# KiCad board DFTBoard.kicad_pcb (continued)
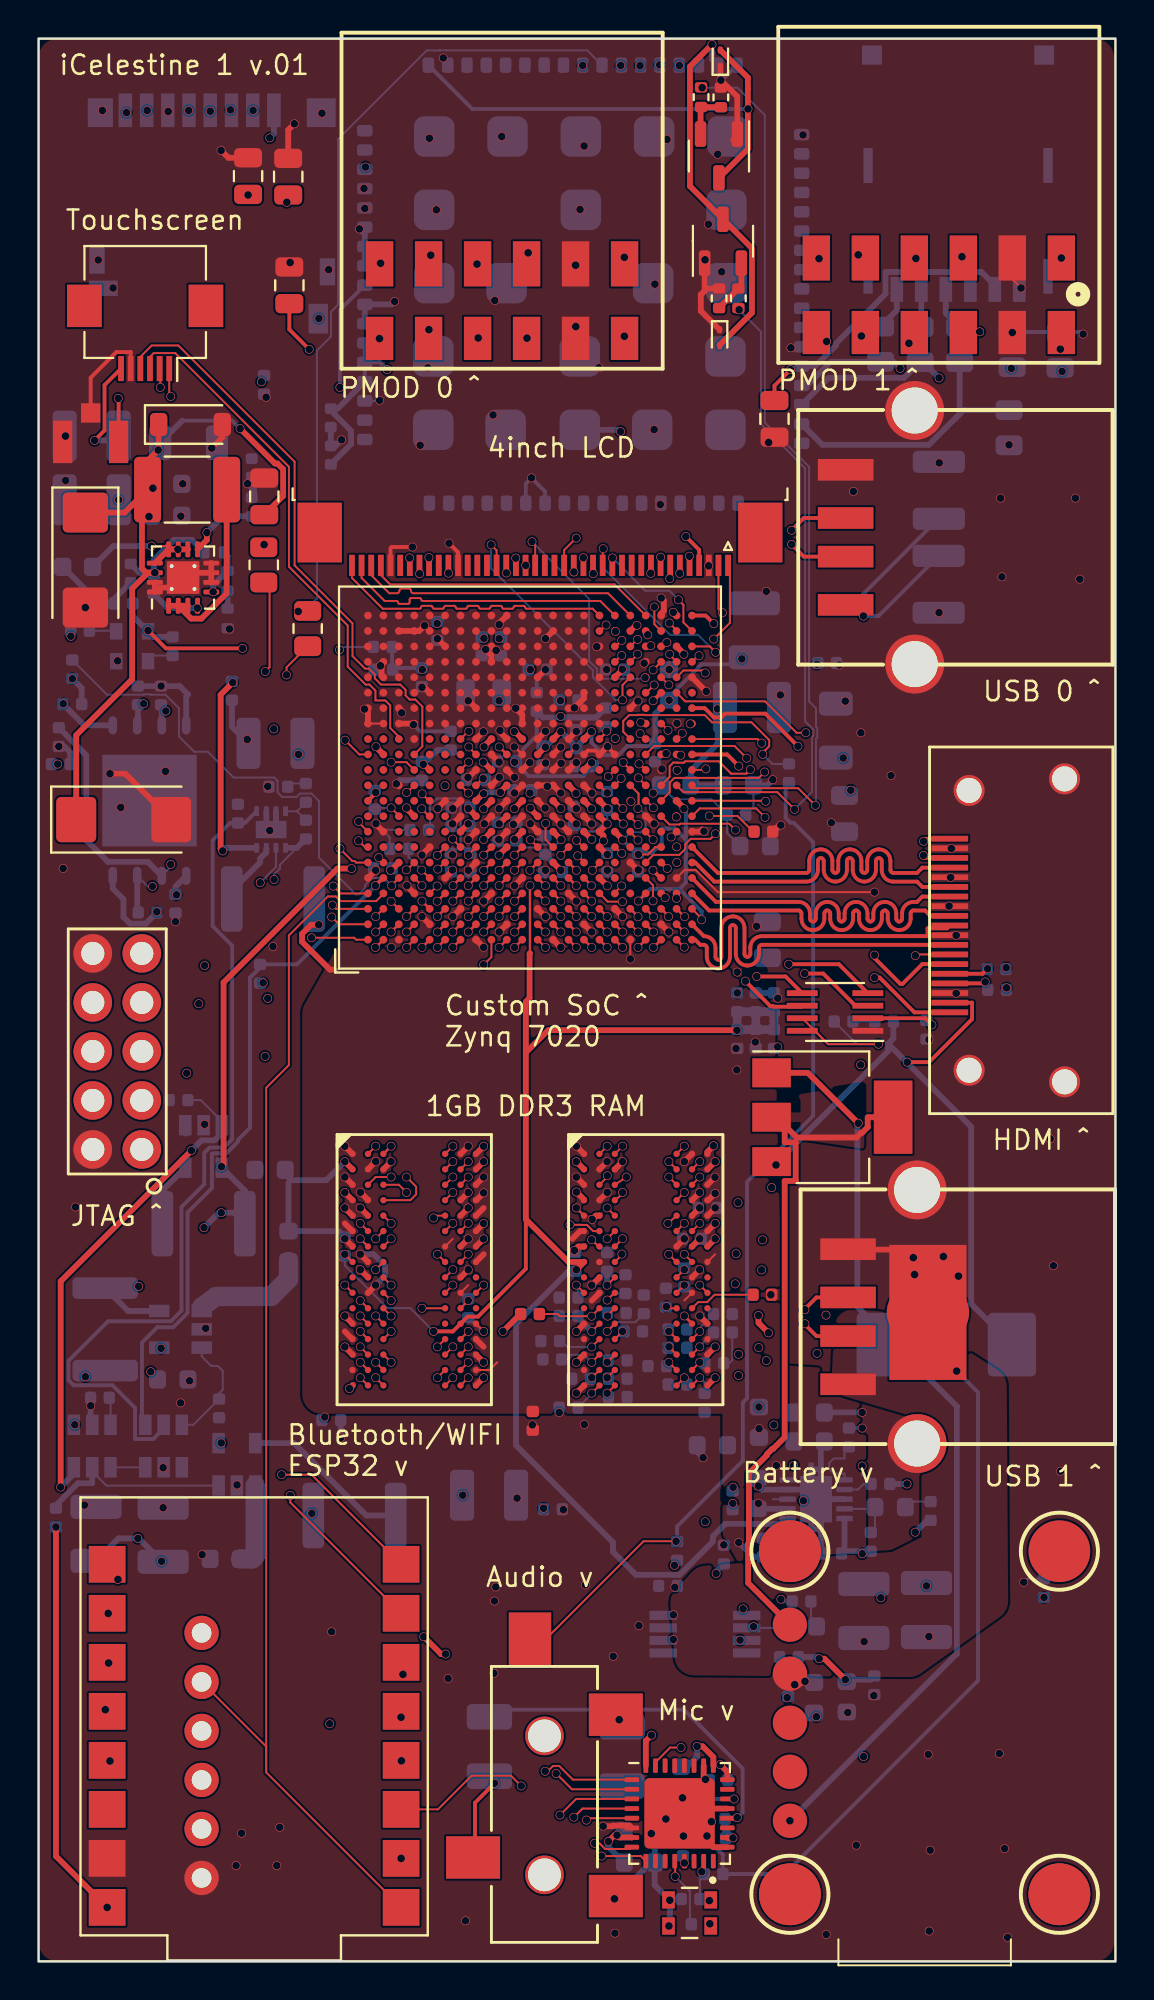
[diagram p0: board, top side]
## Routing (per net, layer and track width the routed paths; a pad name or vN(x,y) marks a point on that pad's centre or on a via; arc(x,y) is an arc through that point) (continued)
DDR3_DQ12: length 20.7
  TOP_GND w0.102: U16.A7 v1(21.48,42.25)
  TOP_GND w0.13: U20.K1 v1(23.88,52.55)
  GND1 w0.102: v1(23.88,52.55) 23.88,52.18 23.64,51.94 23.64,51.56 23.3,51.23 23.3,51.18 23.28,51.14 23.26,51.11 23.23,51.08 23.19,51.06 23.15,51.04 23.07,51.03 23.03,51.02 23,51 22.97,50.97 22.94,50.93 22.93,50.89 22.93,50.85 22.93,50.83 22.93,50.78 22.94,50.74 22.97,50.71 23,50.68 23.03,50.66 23.07,50.64 23.11,50.64 23.3,50.64 23.3,50.63 23.49,50.63 23.53,50.62 23.57,50.61 23.6,50.58 23.63,50.55 23.66,50.52 23.67,50.48 23.67,50.44 23.67,50.41 23.67,50.37 23.66,50.33 23.63,50.3 23.6,50.27 23.57,50.24 23.53,50.23 23.49,50.23 23.11,50.23 23.07,50.22 23.03,50.21 23,50.18 22.97,50.15 22.94,50.12 22.93,50.08 22.93,50.04 22.93,50.01 22.93,49.97 22.94,49.93 22.97,49.9 23,49.87 23.03,49.84 23.07,49.83 23.11,49.83 23.49,49.83 23.53,49.82 23.57,49.81 23.6,49.78 23.63,49.75 23.66,49.72 23.67,49.68 23.67,49.64 23.67,49.61 23.67,49.57 23.66,49.53 23.63,49.5 23.6,49.47 23.57,49.44 23.53,49.43 23.49,49.43 22.78,49.43 22.73,49.42 22.69,49.41 22.65,49.38 22.62,49.35 22.6,49.31 22.58,49.27 22.58,49.23 22.58,49.18 22.6,49.14 22.62,49.1 22.65,49.07 22.69,49.04 22.73,49.03 22.78,49.03 23.49,49.03 23.53,49.02 23.57,49.01 23.6,48.98 23.63,48.95 23.66,48.92 23.67,48.88 23.67,48.84 23.67,48.81 23.67,48.77 23.66,48.73 23.63,48.7 23.6,48.67 23.57,48.64 23.53,48.63 23.49,48.63 22.78,48.63 22.73,48.62 22.69,48.61 22.65,48.58 22.62,48.55 22.6,48.51 22.58,48.47 22.58,48.43 22.58,48.38 22.6,48.34 22.62,48.3 22.65,48.27 22.69,48.24 22.73,48.23 22.78,48.23 23.1,48.23 23.14,48.22 23.19,48.21 23.22,48.18 23.26,48.15 23.28,48.11 23.29,48.07 23.3,48.03 23.3,44.08 21.88,42.65 21.88,42.05 21.66,41.84 21.29,41.84 20.94,41.5 20.73,41.5 20.58,41.65 20.58,41.9 20.62,41.95 20.93,41.95 21.23,42.25 v1(21.48,42.25)
DDR3_DQ13: length 20.5
  TOP_GND w0.102: U16.A2 v1(17.48,42.25)
  TOP_GND w0.13: U20.G2 v1(21.48,53.35)
  GND1 w0.102: v1(17.48,42.25) 17.83,42.25 17.88,42.3 17.88,42.65 19.98,44.75 19.98,47.82 19.97,47.85 19.96,47.88 19.94,47.91 19.92,47.93 19.9,47.95 19.87,47.96 19.84,47.96 19.79,47.96 19.76,47.96 19.73,47.97 19.7,47.99 19.68,48.01 19.67,48.04 19.66,48.07 19.65,48.1 19.65,48.22 19.66,48.25 19.67,48.28 19.68,48.31 19.7,48.33 19.73,48.35 19.76,48.36 19.79,48.36 19.84,48.36 19.87,48.36 19.9,48.37 19.92,48.39 19.94,48.41 19.96,48.44 19.97,48.47 19.98,48.5 19.98,48.62 19.97,48.65 19.96,48.68 19.94,48.71 19.92,48.73 19.9,48.75 19.87,48.76 19.84,48.76 19.79,48.76 19.76,48.76 19.73,48.77 19.7,48.79 19.68,48.81 19.67,48.84 19.66,48.87 19.65,48.9 19.65,49.02 19.66,49.05 19.67,49.08 19.68,49.11 19.7,49.13 19.73,49.15 19.76,49.16 19.79,49.16 19.84,49.16 19.87,49.16 19.9,49.17 19.92,49.19 19.94,49.21 19.96,49.24 19.97,49.27 19.98,49.3 19.98,49.5 21.08,50.6 21.08,54.33 21.3,54.56 21.67,54.56 21.87,54.76 21.87,55.14 22.08,55.34 22.46,55.34 22.67,55.14 22.67,54.76 22.46,54.56 22.1,54.56 21.88,54.34 21.88,53.98 21.48,53.57 v1(21.48,53.35)
DDR3_DQ14: length 19.5
  TOP_GND w0.102: U16.B8 v1(22.28,41.45)
  TOP_GND w0.13: U20.K3 v1(23.88,54.15)
  GND1 w0.102: v1(22.28,41.45) 22.28,41.61 22.67,42.01 22.67,42.19 22.67,42.2 22.67,43.04 23.12,43.5 23.38,43.5 23.48,43.4 23.48,42.5 23.47,42.49 23.47,42.26 23.58,42.15 23.78,42.15 23.93,42.3 23.93,46.69 23.93,46.72 23.94,46.74 23.95,46.76 23.97,46.78 23.99,46.79 24.01,46.8 24.06,46.8 24.08,46.81 24.1,46.82 24.12,46.84 24.13,46.86 24.14,46.88 24.14,46.91 24.14,47.09 24.14,47.12 24.13,47.14 24.12,47.16 24.1,47.18 24.08,47.19 24.06,47.2 24.03,47.2 23.74,47.2 23.7,47.2 23.66,47.22 23.63,47.24 23.6,47.27 23.58,47.3 23.57,47.34 23.56,47.38 23.56,47.42 23.57,47.46 23.58,47.5 23.6,47.53 23.63,47.56 23.66,47.58 23.7,47.6 23.74,47.6 24.03,47.6 24.06,47.6 24.08,47.61 24.1,47.62 24.12,47.64 24.13,47.66 24.14,47.68 24.14,47.71 24.14,47.89 24.14,47.92 24.13,47.94 24.12,47.96 24.1,47.98 24.08,47.99 24.06,48 24.03,48 23.93,48 23.93,48.02 23.74,48.02 23.7,48.02 23.66,48.04 23.63,48.06 23.6,48.09 23.58,48.12 23.57,48.16 23.56,48.2 23.56,48.24 23.57,48.28 23.58,48.31 23.6,48.35 23.63,48.38 23.66,48.4 23.7,48.41 23.78,48.42 23.82,48.44 23.86,48.46 23.89,48.49 23.91,48.52 23.92,48.56 23.93,48.6 23.93,51.8 24.27,52.14 24.27,53.76 v1(23.88,54.15)
DDR3_DQ15: length 22.8
  TOP_GND w0.13: U20.G1 v1(21.48,52.55) ; U16.A3 v1(18.28,42.25)
  GND1 w0.102: v1(18.28,42.25) 18.57,42.54 18.59,42.57 18.61,42.61 18.62,42.64 18.62,42.68 18.61,42.72 18.59,42.75 18.54,42.81 18.53,42.85 18.52,42.88 18.52,42.92 18.53,42.96 18.54,42.99 18.57,43.02 18.61,43.06 18.64,43.09 18.68,43.1 18.71,43.11 18.75,43.11 18.79,43.1 18.82,43.09 18.85,43.06 19.05,42.86 19.07,42.84 19.1,42.83 19.12,42.83 19.15,42.83 19.18,42.83 19.2,42.84 19.22,42.86 19.34,42.98 19.35,43 19.36,43.02 19.37,43.05 19.37,43.07 19.36,43.1 19.35,43.12 19.34,43.14 19.13,43.35 19.11,43.38 19.09,43.41 19.08,43.45 19.08,43.49 19.09,43.52 19.11,43.56 19.13,43.59 19.18,43.63 19.21,43.65 19.24,43.67 19.28,43.68 19.32,43.68 19.35,43.67 19.39,43.65 19.42,43.63 19.62,43.43 19.64,43.41 19.66,43.4 19.69,43.39 19.72,43.39 19.74,43.4 19.77,43.41 19.79,43.43 19.9,43.54 19.92,43.56 19.93,43.59 19.94,43.61 19.94,43.64 19.93,43.66 19.92,43.69 19.9,43.71 19.82,43.79 19.82,43.8 19.7,43.92 19.68,43.95 19.66,43.98 19.65,44.02 19.65,44.06 19.66,44.09 19.68,44.13 19.7,44.16 19.75,44.2 19.78,44.22 19.81,44.24 19.85,44.25 19.89,44.25 19.92,44.24 19.96,44.22 20.02,44.18 20.05,44.16 20.09,44.15 20.12,44.15 20.16,44.16 20.2,44.18 20.23,44.2 20.76,44.74 20.76,45.01 20.77,45.05 20.78,45.09 20.81,45.13 20.84,45.16 20.88,45.19 20.92,45.2 20.96,45.21 21,45.21 21.05,45.21 21.09,45.23 21.13,45.25 21.16,45.28 21.18,45.32 21.2,45.36 21.2,45.41 21.2,45.45 21.18,45.49 21.16,45.53 21.13,45.56 21.09,45.59 21.05,45.6 21,45.61 20.43,45.61 20.38,45.61 20.34,45.63 20.3,45.65 20.27,45.68 20.25,45.72 20.23,45.76 20.23,45.81 20.23,45.85 20.25,45.89 20.27,45.93 20.3,45.96 20.34,45.99 20.38,46 20.43,46.01 21,46.01 21.05,46.01 21.09,46.03 21.13,46.05 21.16,46.08 21.18,46.12 21.2,46.16 21.2,46.21 21.2,46.25 21.18,46.29 21.16,46.33 21.13,46.36 21.09,46.39 21.05,46.4 21,46.41 20.43,46.41 20.38,46.41 20.34,46.43 20.3,46.45 20.27,46.48 20.25,46.52 20.23,46.56 20.23,46.61 20.23,46.65 20.25,46.69 20.27,46.73 20.3,46.76 20.34,46.79 20.38,46.8 20.43,46.81 21,46.81 21.05,46.81 21.09,46.83 21.13,46.85 21.16,46.88 21.18,46.92 21.2,46.96 21.2,47.01 21.2,47.05 21.18,47.09 21.16,47.13 21.13,47.16 21.09,47.19 21.05,47.2 21,47.21 20.43,47.21 20.38,47.21 20.34,47.23 20.3,47.25 20.27,47.28 20.25,47.32 20.23,47.36 20.23,47.41 20.23,47.45 20.25,47.49 20.27,47.53 20.3,47.56 20.34,47.59 20.38,47.6 20.43,47.61 21,47.61 21.05,47.61 21.09,47.63 21.13,47.65 21.16,47.68 21.18,47.72 21.2,47.76 21.2,47.81 21.2,47.85 21.18,47.89 21.16,47.93 21.13,47.96 21.09,47.99 21.05,48 21,48.01 20.43,48.01 20.38,48.01 20.34,48.03 20.3,48.05 20.27,48.08 20.25,48.12 20.23,48.16 20.23,48.21 20.23,48.25 20.25,48.29 20.27,48.33 20.3,48.36 20.34,48.39 20.38,48.4 20.43,48.41 21,48.41 21.05,48.41 21.09,48.43 21.13,48.45 21.16,48.48 21.18,48.52 21.2,48.56 21.2,48.61 21.2,48.65 21.18,48.69 21.16,48.73 21.13,48.76 21.09,48.79 21.05,48.8 21,48.81 20.43,48.81 20.38,48.81 20.34,48.83 20.3,48.85 20.27,48.88 20.25,48.92 20.23,48.96 20.23,49.01 20.23,49.05 20.25,49.09 20.27,49.13 20.3,49.16 20.34,49.19 20.38,49.2 20.43,49.21 20.56,49.21 20.61,49.21 20.65,49.23 20.69,49.25 20.72,49.28 20.75,49.32 20.76,49.36 20.76,49.41 20.77,49.43 20.78,49.45 20.78,49.65 21.48,50.35 v1(21.48,52.55)
DDR3_DQ16: length 18.8
  TOP_GND w0.102: U15.E3 v1(29.47,39.05)
  TOP_GND w0.13: v1(29.48,54.15) 29.47,54.15 U20.T3
  SIGNAL1 w0.102: v1(29.48,54.15) 29.08,53.75 29.08,52.12 28.82,51.87 28.81,51.84 28.79,51.81 28.77,51.79 28.75,51.77 28.72,51.76 28.69,51.76 28.67,51.76 28.64,51.76 28.61,51.75 28.58,51.73 28.56,51.71 28.54,51.68 28.53,51.65 28.53,51.62 28.53,51.5 28.53,51.47 28.54,51.44 28.56,51.41 28.58,51.39 28.61,51.37 28.64,51.36 28.67,51.36 29.03,51.36 29.06,51.36 29.09,51.35 29.12,51.33 29.14,51.31 29.16,51.28 29.17,51.25 29.17,51.22 29.17,51.1 29.17,51.07 29.16,51.04 29.14,51.01 29.12,50.99 29.09,50.97 29.06,50.96 29.03,50.96 28.67,50.96 28.64,50.96 28.61,50.95 28.58,50.93 28.56,50.91 28.54,50.88 28.53,50.85 28.53,50.82 28.53,50.7 28.53,50.67 28.54,50.64 28.56,50.61 28.58,50.59 28.61,50.57 28.64,50.56 28.67,50.56 29.03,50.56 29.06,50.56 29.09,50.55 29.12,50.53 29.14,50.51 29.16,50.48 29.17,50.45 29.17,50.42 29.17,50.3 29.17,50.27 29.16,50.24 29.14,50.21 29.12,50.19 29.09,50.17 29.06,50.16 29.03,50.16 28.97,50.16 28.93,50.16 28.9,50.15 28.88,50.13 28.86,50.11 28.84,50.08 28.83,50.05 28.83,50.02 28.83,42.7 28.77,42.64 28.77,39.76 v1(29.47,39.05)
DDR3_DQ17: length 19.5
  TOP_GND w0.102: 33.08,37.85 v1(33.47,38.25)
  TOP_GND w0.13: U20.T1 v1(29.47,52.55)
  SIGNAL1 w0.102: v1(33.47,38.25) 33.47,38.59 31.81,40.25 29.28,40.25 29.08,40.45 29.08,42.45 29.47,42.85 29.47,48.63 29.47,48.66 29.46,48.69 29.45,48.71 29.42,48.74 29.4,48.75 29.37,48.76 29.31,48.77 29.28,48.78 29.26,48.79 29.24,48.82 29.22,48.84 29.21,48.87 29.21,48.9 29.21,49.03 29.21,49.06 29.22,49.09 29.24,49.11 29.26,49.14 29.28,49.15 29.31,49.16 29.37,49.17 29.4,49.18 29.42,49.19 29.45,49.22 29.46,49.24 29.47,49.27 29.47,49.3 29.47,49.43 29.47,49.46 29.46,49.49 29.45,49.51 29.42,49.54 29.4,49.55 29.37,49.56 29.31,49.57 29.28,49.58 29.26,49.59 29.24,49.62 29.22,49.64 29.21,49.67 29.21,49.7 29.21,49.83 29.21,49.86 29.22,49.89 29.24,49.91 29.26,49.94 29.28,49.95 29.31,49.96 29.37,49.97 29.4,49.98 29.42,49.99 29.45,50.02 29.46,50.04 29.47,50.07 29.47,50.1 v1(29.47,52.55)
DDR3_DQ18: length 22
  TOP_GND w0.102: 29.08,37.85 28.75,37.85 28.43,38.17 28.12,38.17 28.12,38.18 v1(27.55,38.18) ; U20.M1 v1(26.28,52.55)
  GND1 w0.102: v1(27.55,38.18) 27.28,37.91 27.28,37.31 27.18,37.2 26.93,37.2 26.83,37.3 26.83,38.35 26.83,38.38 26.84,38.41 26.86,38.44 26.88,38.46 26.9,38.48 26.93,38.49 26.97,38.49 27.08,38.49 27.11,38.49 27.14,38.5 27.16,38.52 27.18,38.54 27.2,38.57 27.21,38.6 27.22,38.63 27.22,38.75 27.21,38.78 27.2,38.81 27.18,38.84 27.16,38.86 27.14,38.88 27.11,38.89 27.08,38.89 26.62,38.89 26.59,38.89 26.56,38.9 26.54,38.92 26.52,38.94 26.5,38.97 26.49,39 26.48,39.03 26.48,39.15 26.49,39.18 26.5,39.21 26.52,39.24 26.54,39.26 26.56,39.28 26.59,39.29 26.62,39.29 27.03,39.29 27.06,39.29 27.09,39.3 27.11,39.32 27.13,39.34 27.15,39.37 27.16,39.4 27.17,39.43 27.17,39.55 27.16,39.58 27.15,39.61 27.13,39.64 27.11,39.66 27.09,39.68 27.06,39.69 27.03,39.69 26.62,39.69 26.59,39.69 26.56,39.7 26.54,39.72 26.52,39.74 26.5,39.77 26.49,39.8 26.48,39.83 26.48,39.95 26.49,39.98 26.5,40.01 26.52,40.04 26.54,40.06 26.56,40.08 26.59,40.09 26.62,40.09 27.03,40.09 27.06,40.09 27.09,40.1 27.11,40.12 27.13,40.14 27.15,40.17 27.16,40.2 27.17,40.23 27.17,40.35 27.16,40.38 27.15,40.41 27.13,40.44 27.11,40.46 27.09,40.48 27.06,40.49 27.03,40.49 26.97,40.49 26.93,40.49 26.9,40.5 26.88,40.52 26.73,40.66 26.73,51.14 26.28,51.6 v1(26.28,52.55)
DDR3_DQ19: length 19
  TOP_GND w0.102: U15.F8 v1(34.28,38.25)
  TOP_GND w0.13: U20.T2 v1(29.47,53.35)
  GND1 w0.102: v1(34.28,38.25) 33.26,38.88 30.43,40.25 30.18,40.3 30.03,40.45 29.88,41.2 29.88,42.25 29.88,42.26 29.88,51.69 29.87,51.71 29.87,52.96 v1(29.47,53.35)
DDR3_DQ20: length 24.1
  TOP_GND w0.102: U15.H3 30.24,36.61
  TOP_GND w0.13: U20.M2 v1(26.28,53.35)
  GND1 w0.102: v1(30.24,36.66) 30.24,36.61 U15.H3 27.48,36.25 26.18,37.55 26.18,49.27 26.17,49.3 26.16,49.33 26.14,49.36 26.12,49.38 26.1,49.4 26.07,49.41 26.04,49.41 25.83,49.41 25.79,49.41 25.76,49.42 25.74,49.44 25.72,49.46 25.7,49.49 25.69,49.52 25.69,49.55 25.69,49.67 25.69,49.7 25.7,49.73 25.72,49.76 25.74,49.78 25.76,49.8 25.79,49.81 25.83,49.81 26.37,49.81 26.41,49.81 26.44,49.82 26.46,49.84 26.48,49.86 26.5,49.89 26.51,49.92 26.51,49.95 26.51,50.07 26.51,50.1 26.5,50.13 26.48,50.16 26.46,50.18 26.44,50.2 26.41,50.21 26.37,50.21 25.83,50.21 25.79,50.21 25.76,50.22 25.74,50.24 25.72,50.26 25.7,50.29 25.69,50.32 25.69,50.35 25.69,50.47 25.69,50.5 25.7,50.53 25.72,50.56 25.74,50.58 25.76,50.6 25.79,50.61 25.83,50.61 26.04,50.61 26.07,50.61 26.1,50.62 26.12,50.64 26.14,50.66 26.16,50.69 26.17,50.72 26.18,50.75 26.18,51.1 25.88,51.39 25.88,52.96 v1(26.28,53.35)
DDR3_DQ21: length 21.5
  TOP_GND w0.102: U15.H8 v1(33.47,36.65)
  TOP_GND w0.13: U20.R1 v1(28.68,52.55)
  SIGNAL1 w0.102: v1(33.47,36.65) 33.08,37.05 33.08,38.38 32.81,38.64 32.44,38.64 32.39,38.6 29.33,38.6 28.27,39.65 28.27,40.09 28.27,40.09 28.27,52.14 v1(28.68,52.55)
DDR3_DQ22: length 23.6
  TOP_GND w0.102: v1(28.68,37.4) 29.03,37.05
  TOP_GND w0.13: U20.N3 v1(27.08,54.15)
  GND1 w0.102: v1(27.08,54.15) 26.68,53.75 26.68,52.2 27.43,51.45 27.43,51 27.42,50.97 27.41,50.94 27.39,50.91 27.37,50.89 27.35,50.87 27.32,50.86 27.29,50.86 27.27,50.86 27.24,50.86 27.21,50.85 27.18,50.83 27.16,50.81 27.14,50.78 27.13,50.75 27.13,50.72 27.13,50.6 27.13,50.57 27.14,50.54 27.16,50.51 27.18,50.49 27.21,50.47 27.24,50.46 27.27,50.46 27.63,50.46 27.66,50.46 27.69,50.45 27.72,50.43 27.74,50.41 27.76,50.38 27.77,50.35 27.77,50.32 27.77,50.2 27.77,50.17 27.76,50.14 27.74,50.11 27.72,50.09 27.69,50.07 27.66,50.06 27.63,50.06 27.27,50.06 27.24,50.06 27.21,50.05 27.18,50.03 27.16,50.01 27.14,49.98 27.13,49.95 27.13,49.92 27.13,49.8 27.13,49.77 27.14,49.74 27.16,49.71 27.18,49.69 27.21,49.67 27.24,49.66 27.27,49.66 27.29,49.66 27.32,49.66 27.35,49.65 27.37,49.63 27.39,49.61 27.41,49.58 27.42,49.55 27.43,49.52 27.43,47.34 27.77,47 27.77,43.42 27.47,43.12 27.47,38.84 28.02,38.29 28.02,37.69 28.17,37.54 28.17,36.81 28.43,36.55 29.37,36.55 29.5,36.69 29.5,36.94 29.39,37.06 29.02,37.06 v1(28.68,37.4)
DDR3_DQ23: length 23
  TOP_GND w0.102: 33.06,36.25 v1(32.67,36.64)
  TOP_GND w0.13: U20.R3 v1(28.68,54.15)
  GND1 w0.102: v1(32.67,36.64) 32.67,37.24 30.46,39.45 30.09,39.45 29.87,39.67 29.87,40.05 29.6,40.33 29.29,40.33 29.07,40.55 29.07,49.88 29.06,49.91 29.05,49.94 29.04,49.96 29.02,49.99 28.99,50 28.96,50.01 28.93,50.02 28.76,50.02 28.73,50.02 28.7,50.03 28.67,50.05 28.65,50.07 28.63,50.1 28.62,50.13 28.62,50.16 28.62,50.28 28.62,50.31 28.63,50.34 28.65,50.36 28.67,50.39 28.7,50.4 28.73,50.41 28.76,50.42 29.43,50.42 29.46,50.42 29.49,50.43 29.51,50.45 29.54,50.47 29.55,50.5 29.56,50.53 29.57,50.56 29.57,50.68 29.56,50.71 29.55,50.74 29.54,50.76 29.51,50.79 29.49,50.8 29.46,50.81 29.43,50.82 28.76,50.82 28.73,50.82 28.7,50.83 28.67,50.85 28.65,50.87 28.63,50.9 28.62,50.93 28.62,50.96 28.62,51.08 28.62,51.11 28.63,51.14 28.65,51.16 28.67,51.19 28.7,51.2 28.73,51.21 28.76,51.22 28.93,51.22 28.96,51.22 28.99,51.23 29.02,51.25 29.04,51.27 29.05,51.3 29.06,51.33 29.07,51.36 29.07,53.76 v1(28.68,54.15)
DDR3_DQ24: length 17.2
  TOP_GND w0.102: 33.08,39.45 v1(33.47,39.85)
  TOP_GND w0.13: U20.AA3 33.48,54.14 v1(33.49,54.14)
  SIGNAL2 w0.102: v1(33.49,54.14) 33.87,53.77 33.87,53.46 33.88,53.45 33.88,51.8 33.59,51.52 33.51,51.52 33.49,51.48 33.47,51.44 33.83,51.08 33.83,51.02 33.85,50.98 33.85,42.67 34.68,41.85 34.68,40.43 34.5,40.25 33.88,40.25 v1(33.47,39.85)
DDR3_DQ25: length 20.8
  TOP_GND w0.102: U15.C3 v1(30.47,40.65)
  TOP_GND w0.13: U20.Y1 v1(31.88,52.55)
  GND1 w0.102: v1(31.88,52.55) 32.3,52.13 32.3,52.1 33.19,51.21 33.19,48.29 33.08,48.18 33.08,46.95 33.07,46.92 33.06,46.89 33.04,46.86 33.02,46.84 33,46.82 32.97,46.81 32.94,46.81 32.72,46.81 32.69,46.81 32.66,46.8 32.63,46.78 32.61,46.76 32.59,46.73 32.58,46.7 32.58,46.67 32.58,46.55 32.58,46.52 32.59,46.49 32.61,46.46 32.63,46.44 32.66,46.42 32.69,46.41 32.72,46.41 33.43,46.41 33.46,46.41 33.49,46.4 33.52,46.38 33.54,46.36 33.56,46.33 33.57,46.3 33.57,46.27 33.57,46.15 33.57,46.12 33.56,46.09 33.54,46.06 33.52,46.04 33.49,46.02 33.46,46.01 33.43,46.01 32.72,46.01 32.69,46.01 32.66,46 32.63,45.98 32.61,45.96 32.59,45.93 32.58,45.9 32.58,45.87 32.58,45.75 32.58,45.72 32.59,45.69 32.61,45.66 32.63,45.64 32.66,45.62 32.69,45.61 32.72,45.61 33.43,45.61 33.46,45.61 33.49,45.6 33.52,45.58 33.54,45.56 33.56,45.53 33.57,45.5 33.57,45.47 33.57,45.35 33.57,45.32 33.56,45.29 33.54,45.26 33.52,45.24 33.49,45.22 33.46,45.21 33.43,45.21 32.72,45.21 32.69,45.21 32.66,45.2 32.63,45.18 32.61,45.16 32.59,45.13 32.58,45.1 32.58,45.07 32.58,44.95 32.58,44.92 32.59,44.89 32.61,44.86 32.63,44.84 32.66,44.82 32.69,44.81 32.72,44.81 33.43,44.81 33.46,44.81 33.49,44.8 33.52,44.78 33.54,44.76 33.56,44.73 33.57,44.7 33.57,44.67 33.57,44.55 33.57,44.52 33.56,44.49 33.54,44.46 33.52,44.44 33.49,44.42 33.46,44.41 33.43,44.41 32.72,44.41 32.69,44.41 32.66,44.4 32.63,44.38 32.61,44.36 32.59,44.33 32.58,44.3 32.58,44.27 32.58,44.15 32.58,44.12 32.59,44.09 32.61,44.06 32.63,44.04 32.66,44.02 32.69,44.01 32.72,44.01 32.94,44.01 32.97,44.01 33,44 33.02,43.98 33.04,43.96 33.06,43.93 33.07,43.9 33.08,43.87 33.08,43.25 v1(30.47,40.65)
DDR3_DQ26: length 16.4
  TOP_GND w0.102: U15.C8 v1(34.28,40.65)
  TOP_GND w0.13: U20.Y3 32.66,54.17 v1(32.66,54.15)
  GND1 w0.102: v1(32.66,54.15) 32.66,53.83 32.74,53.74 32.86,53.74 33.08,53.53 33.08,53.17 33.29,52.95 33.3,52.95 33.31,52.96 33.64,52.96 35.22,51.37 35.22,43.71 34.6,43.08 34.6,42.08 34.67,42.01 34.67,41.06 34.68,41.05 v1(34.28,40.65)
DDR3_DQ27: length 19.9
  TOP_GND w0.102: v1(29.48,40.72) 29.48,40.66 29.08,40.25
  TOP_GND w0.13: U20.W1 v1(31.08,52.55)
  SIGNAL1 w0.102: v1(29.48,40.72) 29.81,41.05 30.58,41.05 31.08,41.55 31.08,44.22 31.07,44.25 31.06,44.28 31.04,44.31 31.02,44.33 31,44.35 30.97,44.36 30.94,44.36 30.73,44.36 30.7,44.36 30.67,44.37 30.65,44.39 30.62,44.41 30.61,44.44 30.6,44.47 30.59,44.5 30.59,44.62 30.6,44.65 30.61,44.68 30.62,44.71 30.65,44.73 30.67,44.75 30.7,44.76 30.73,44.76 31.42,44.76 31.45,44.76 31.48,44.77 31.5,44.79 31.53,44.81 31.54,44.84 31.55,44.87 31.56,44.9 31.56,45.02 31.55,45.05 31.54,45.08 31.53,45.11 31.5,45.13 31.48,45.15 31.45,45.16 31.42,45.16 30.73,45.16 30.7,45.16 30.67,45.17 30.65,45.19 30.62,45.21 30.61,45.24 30.6,45.27 30.59,45.3 30.59,45.42 30.6,45.45 30.61,45.48 30.62,45.51 30.65,45.53 30.67,45.55 30.7,45.56 30.73,45.56 31.42,45.56 31.45,45.56 31.48,45.57 31.5,45.59 31.53,45.61 31.54,45.64 31.55,45.67 31.56,45.7 31.56,45.82 31.55,45.85 31.54,45.88 31.53,45.91 31.5,45.93 31.48,45.95 31.45,45.96 31.42,45.96 30.73,45.96 30.7,45.96 30.67,45.97 30.65,45.99 30.62,46.01 30.61,46.04 30.6,46.07 30.59,46.1 30.59,46.22 30.6,46.25 30.61,46.28 30.62,46.31 30.65,46.33 30.67,46.35 30.7,46.36 30.73,46.36 31.42,46.36 31.45,46.36 31.48,46.37 31.5,46.39 31.53,46.41 31.54,46.44 31.55,46.47 31.56,46.5 31.56,46.62 31.55,46.65 31.54,46.68 31.53,46.71 31.5,46.73 31.48,46.75 31.45,46.76 31.42,46.76 30.73,46.76 30.7,46.76 30.67,46.77 30.65,46.79 30.62,46.81 30.61,46.84 30.6,46.87 30.59,46.9 30.59,47.02 30.6,47.05 30.61,47.08 30.62,47.11 30.65,47.13 30.67,47.15 30.7,47.16 30.73,47.16 30.94,47.16 30.97,47.16 31,47.17 31.02,47.19 31.04,47.21 31.06,47.24 31.07,47.27 31.08,47.3 v1(31.08,52.55)
DDR3_DQ28: length 21.2
  TOP_GND w0.102: 33.08,41.85 v1(33.47,42.25)
  TOP_GND w0.13: U20.AA1 33.46,52.56 v1(33.47,52.56)
  GND1 w0.102: v1(33.47,52.56) 34.33,51.71 34.33,51.58 33.9,51.16 33.87,51.16 33.85,51.13 33.84,51.1 33.84,51.07 33.84,50.95 33.84,50.92 33.85,50.89 33.87,50.86 33.89,50.84 33.92,50.82 33.95,50.81 33.98,50.81 34.67,50.81 34.7,50.81 34.73,50.8 34.76,50.78 34.78,50.76 34.8,50.73 34.81,50.7 34.81,50.67 34.81,50.55 34.81,50.52 34.8,50.49 34.78,50.46 34.76,50.44 34.73,50.42 34.7,50.41 34.67,50.41 33.98,50.41 33.95,50.41 33.92,50.4 33.89,50.38 33.87,50.36 33.85,50.33 33.84,50.3 33.84,50.27 33.84,50.15 33.84,50.12 33.85,50.09 33.87,50.06 33.89,50.04 33.92,50.02 33.95,50.01 33.98,50.01 34.67,50.01 34.7,50.01 34.73,50 34.76,49.98 34.78,49.96 34.8,49.93 34.81,49.9 34.81,49.87 34.81,49.75 34.81,49.72 34.8,49.69 34.78,49.66 34.76,49.64 34.73,49.62 34.7,49.61 34.67,49.61 33.98,49.61 33.95,49.61 33.92,49.6 33.89,49.58 33.87,49.56 33.85,49.53 33.84,49.5 33.84,49.47 33.84,49.35 33.84,49.32 33.85,49.29 33.87,49.26 33.89,49.24 33.92,49.22 33.95,49.21 33.98,49.21 34.67,49.21 34.7,49.21 34.73,49.2 34.76,49.18 34.78,49.16 34.8,49.13 34.81,49.1 34.81,49.07 34.81,48.95 34.81,48.92 34.8,48.89 34.78,48.86 34.76,48.84 34.73,48.82 34.7,48.81 34.67,48.81 33.98,48.81 33.95,48.81 33.92,48.8 33.89,48.78 33.87,48.76 33.85,48.73 33.84,48.7 33.84,48.67 33.84,48.55 33.84,48.52 33.85,48.49 33.87,48.46 33.89,48.44 33.92,48.42 33.95,48.41 33.98,48.41 34.67,48.41 34.7,48.41 34.73,48.4 34.76,48.38 34.78,48.36 34.8,48.33 34.81,48.3 34.81,48.27 34.81,48.15 34.81,48.12 34.8,48.09 34.78,48.06 34.76,48.04 34.73,48.02 34.7,48.01 34.67,48.01 33.98,48.01 33.95,48.01 33.92,48 33.89,47.98 33.87,47.96 33.85,47.93 33.84,47.9 33.84,47.87 33.84,47.75 33.84,47.72 33.85,47.69 33.87,47.66 33.89,47.64 33.92,47.62 33.95,47.61 33.98,47.61 34.67,47.61 34.7,47.61 34.73,47.6 34.76,47.58 34.78,47.56 34.8,47.53 34.81,47.5 34.81,47.47 34.81,47.35 34.81,47.32 34.8,47.29 34.78,47.26 34.76,47.24 34.73,47.22 34.7,47.21 34.67,47.21 33.98,47.21 33.95,47.21 33.92,47.2 33.89,47.18 33.87,47.16 33.85,47.13 33.84,47.1 33.84,47.07 33.84,46.95 33.84,46.92 33.85,46.89 33.87,46.86 33.89,46.84 33.92,46.82 33.95,46.81 33.98,46.81 34.19,46.81 34.22,46.81 34.25,46.8 34.27,46.78 34.29,46.76 34.31,46.73 34.32,46.7 34.33,46.67 34.33,43.1 v1(33.47,42.25)
DDR3_DQ29: length 20.7
  TOP_GND w0.102: 29.08,41.85 v1(29.47,42.25)
  TOP_GND w0.13: U20.U1 v1(30.28,52.55)
  SIGNAL1 w0.102: v1(30.28,52.55) 30.28,51.6 30.27,51.57 30.26,51.54 30.24,51.51 30.22,51.49 30.2,51.47 30.17,51.46 30.14,51.46 29.94,51.46 29.91,51.46 29.88,51.45 29.86,51.43 29.83,51.41 29.82,51.38 29.81,51.35 29.8,51.32 29.8,51.2 29.81,51.17 29.82,51.14 29.83,51.11 29.86,51.09 29.88,51.07 29.91,51.06 29.94,51.06 30.61,51.06 30.64,51.06 30.67,51.05 30.69,51.03 30.72,51.01 30.73,50.98 30.74,50.95 30.75,50.92 30.75,50.8 30.74,50.77 30.73,50.74 30.72,50.71 30.69,50.69 30.67,50.67 30.64,50.66 30.61,50.66 29.94,50.66 29.91,50.66 29.88,50.65 29.86,50.63 29.83,50.61 29.82,50.58 29.81,50.55 29.8,50.52 29.8,50.4 29.81,50.37 29.82,50.34 29.83,50.31 29.86,50.29 29.88,50.27 29.91,50.26 29.94,50.26 30.61,50.26 30.64,50.26 30.67,50.25 30.69,50.23 30.72,50.21 30.73,50.18 30.74,50.15 30.75,50.12 30.75,50 30.74,49.97 30.73,49.94 30.72,49.91 30.69,49.89 30.67,49.87 30.64,49.86 30.61,49.86 29.94,49.86 29.91,49.86 29.88,49.85 29.86,49.83 29.83,49.81 29.82,49.78 29.81,49.75 29.8,49.72 29.8,49.6 29.81,49.57 29.82,49.54 29.83,49.51 29.86,49.49 29.88,49.47 29.91,49.46 29.94,49.46 30.61,49.46 30.64,49.46 30.67,49.45 30.69,49.43 30.72,49.41 30.73,49.38 30.74,49.35 30.75,49.32 30.75,49.2 30.74,49.17 30.73,49.14 30.72,49.11 30.69,49.09 30.67,49.07 30.64,49.06 30.61,49.06 29.94,49.06 29.91,49.06 29.88,49.05 29.86,49.03 29.83,49.01 29.82,48.98 29.81,48.95 29.8,48.92 29.8,48.8 29.81,48.77 29.82,48.74 29.83,48.71 29.86,48.69 29.88,48.67 29.91,48.66 29.94,48.66 30.61,48.66 30.64,48.66 30.67,48.65 30.69,48.63 30.72,48.61 30.73,48.58 30.74,48.55 30.75,48.52 30.75,48.4 30.74,48.37 30.73,48.34 30.72,48.31 30.69,48.29 30.67,48.27 30.64,48.26 30.61,48.26 29.94,48.26 29.91,48.26 29.88,48.25 29.86,48.23 29.83,48.21 29.82,48.18 29.81,48.15 29.8,48.12 29.8,48 29.81,47.97 29.82,47.94 29.83,47.91 29.86,47.89 29.88,47.87 29.91,47.86 29.94,47.86 30.61,47.86 30.64,47.86 30.67,47.85 30.69,47.83 30.72,47.81 30.73,47.78 30.74,47.75 30.75,47.72 30.75,47.6 30.74,47.57 30.73,47.54 30.72,47.51 30.69,47.49 30.67,47.47 30.64,47.46 30.61,47.46 29.94,47.46 29.91,47.46 29.88,47.45 29.86,47.43 29.83,47.41 29.82,47.38 29.81,47.35 29.8,47.32 29.8,47.2 29.81,47.17 29.82,47.14 29.83,47.11 29.86,47.09 29.88,47.07 29.91,47.06 29.94,47.06 30.14,47.06 30.17,47.06 30.2,47.05 30.22,47.03 30.24,47.01 30.26,46.98 30.27,46.95 30.28,46.92 30.28,43.05 v1(29.47,42.25)
DDR3_DQ30: length 16.8
  TOP_GND w0.102: U15.B8 v1(34.28,41.45)
  TOP_GND w0.13: U20.W3 31.88,54.15 v1(31.88,54.14)
  SIGNAL1 w0.102: v1(34.28,41.45) 34.28,42.93 33.75,43.45 33.75,44.58 33.75,44.62 33.77,44.66 33.79,44.7 33.82,44.73 33.86,44.75 33.9,44.76 33.99,44.77 34.03,44.79 34.06,44.81 34.1,44.84 34.12,44.88 34.13,44.92 34.14,44.96 34.14,44.98 34.13,45.02 34.12,45.06 34.1,45.1 34.06,45.13 34.03,45.15 33.99,45.16 33.94,45.17 33.75,45.17 33.75,45.18 33.56,45.18 33.51,45.18 33.47,45.19 33.44,45.22 33.4,45.25 33.38,45.28 33.37,45.33 33.36,45.37 33.36,45.38 33.37,45.42 33.38,45.47 33.4,45.5 33.44,45.53 33.47,45.56 33.51,45.57 33.56,45.58 33.94,45.58 33.99,45.58 34.03,45.59 34.06,45.62 34.1,45.65 34.12,45.68 34.13,45.73 34.14,45.77 34.14,45.78 34.13,45.82 34.12,45.87 34.1,45.9 34.06,45.93 34.03,45.96 33.99,45.97 33.9,45.98 33.86,45.99 33.82,46.02 33.79,46.05 33.77,46.08 33.75,46.13 33.75,46.17 33.75,51.4 33.08,52.08 33.08,53.53 32.86,53.75 32.27,53.75 v1(31.88,54.14)
DDR3_DQ31: length 21.1
  TOP_GND w0.102: U15.A3 v1(30.28,42.25)
  TOP_GND w0.13: U20.U2 v1(30.28,53.35)
  GND1 w0.102: v1(30.28,42.25) 31.47,43.45 31.47,48.02 31.47,48.05 31.46,48.08 31.44,48.11 31.42,48.13 31.4,48.15 31.37,48.16 31.34,48.16 31.13,48.16 31.1,48.16 31.07,48.17 31.04,48.19 31.02,48.21 31.01,48.24 30.99,48.27 30.99,48.3 30.99,48.42 30.99,48.45 31.01,48.48 31.02,48.51 31.04,48.53 31.07,48.55 31.1,48.56 31.13,48.56 31.82,48.56 31.85,48.56 31.88,48.57 31.91,48.59 31.93,48.61 31.94,48.64 31.96,48.67 31.96,48.7 31.96,48.82 31.96,48.85 31.94,48.88 31.93,48.91 31.91,48.93 31.88,48.95 31.85,48.96 31.82,48.96 31.13,48.96 31.1,48.96 31.07,48.97 31.04,48.99 31.02,49.01 31.01,49.04 30.99,49.07 30.99,49.1 30.99,49.22 30.99,49.25 31.01,49.28 31.02,49.31 31.04,49.33 31.07,49.35 31.1,49.36 31.13,49.36 31.82,49.36 31.85,49.36 31.88,49.37 31.91,49.39 31.93,49.41 31.94,49.44 31.96,49.47 31.96,49.5 31.96,49.62 31.96,49.65 31.94,49.68 31.93,49.71 31.91,49.73 31.88,49.75 31.85,49.76 31.82,49.76 31.13,49.76 31.1,49.76 31.07,49.77 31.04,49.79 31.02,49.81 31.01,49.84 30.99,49.87 30.99,49.9 30.99,50.02 30.99,50.05 31.01,50.08 31.02,50.11 31.04,50.13 31.07,50.15 31.1,50.16 31.13,50.16 31.82,50.16 31.85,50.16 31.88,50.17 31.91,50.19 31.93,50.21 31.94,50.24 31.96,50.27 31.96,50.3 31.96,50.42 31.96,50.45 31.94,50.48 31.93,50.51 31.91,50.53 31.88,50.55 31.85,50.56 31.82,50.56 31.13,50.56 31.1,50.56 31.07,50.57 31.04,50.59 31.02,50.61 31.01,50.64 30.99,50.67 30.99,50.7 30.99,50.82 30.99,50.85 31.01,50.88 31.02,50.91 31.04,50.93 31.07,50.95 31.1,50.96 31.13,50.96 31.82,50.96 31.85,50.96 31.88,50.97 31.91,50.99 31.93,51.01 31.94,51.04 31.96,51.07 31.96,51.1 31.96,51.22 31.96,51.25 31.94,51.28 31.93,51.31 31.91,51.33 31.88,51.35 31.85,51.36 31.82,51.36 31.13,51.36 31.1,51.36 31.07,51.37 31.04,51.39 31.02,51.41 31.01,51.44 30.99,51.47 30.99,51.5 30.99,51.62 30.99,51.65 31.01,51.68 31.02,51.71 31.04,51.73 31.07,51.75 31.1,51.76 31.13,51.76 31.34,51.76 31.37,51.76 31.4,51.77 31.42,51.79 31.44,51.81 31.46,51.84 31.47,51.87 31.47,51.9 31.47,52.8 31.33,52.95 30.68,52.95 v1(30.28,53.35)